# Altium PCB MCU065E1_LAUNCHCC3235MODA_PCB.PcbDoc (part 2 of 4) (continued)
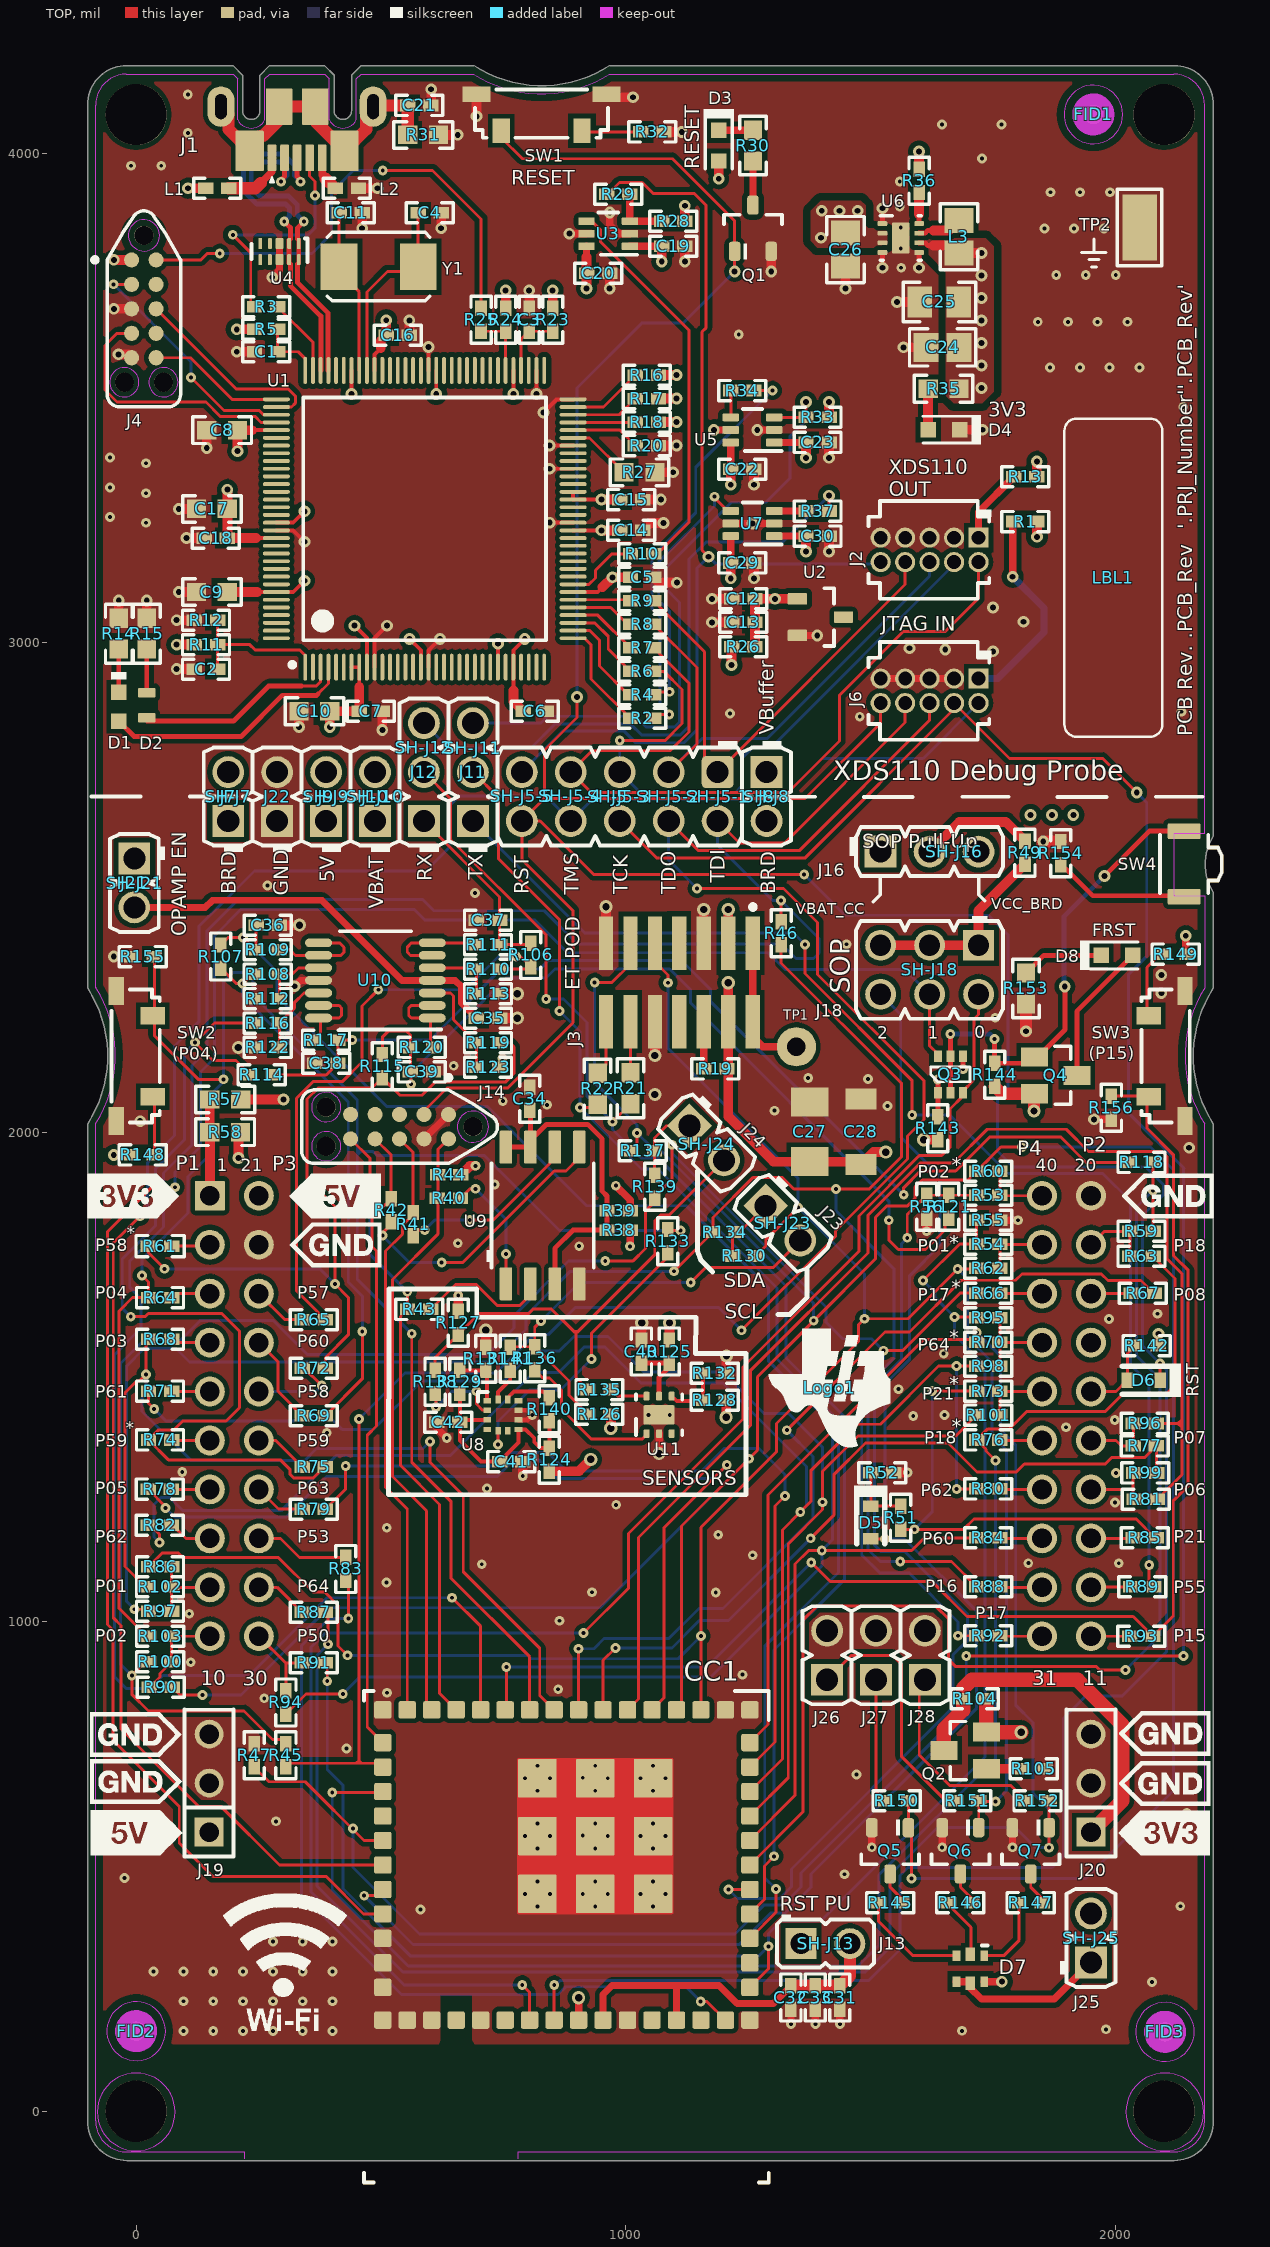
[diagram p0: TOP view]
## Part data (continued)
U9: library part CMP-0004983-1, "ULTRA LOW POWER, 64M-BIT [x 1/x 2/x 4] CMOS MXSMIO (SERIAL MULTI I/O) FLASH MEMORY, SOP-8", Manufacturer="Macronix International Co., LTD", Supplier Part Number 1=1092-1200-ND, ComponentLink1Description="Datasheet URL", ComponentLink1URL=http://www.macronix.com/Lists/Datasheet/Attachments/5102/MX25R6435F,%20Wide%20Range,%2064Mb,%20v1.3.pdf, LatestRevisionDate=09/03/2017, MountType=SMT, PackageReference=SOP-8, PartNumber=MX25R6435FM2IL0, Publisher="Texas Instruments", RoHS=Y, SizeArea_mm2=41.317, SizeAreaWB_mm2=71.577, SizeX_mm=7.9, SizeY_mm=5.23, SizeZ_mm=2.16, Supplier 1=Digi-Key
U10: library part CMP-0041122-1, "Low Cost, Low Power, Rail-to-Rail Operational Amplifier MicroAmplifier(TM) Series, 2.7 to 5.5 V, -55 to 125 degC, 14-pin SOP (PW14), Green (RoHS & no Sb/Br)", Manufacturer="Texas Instruments", Rating=Catalog, Total Supply Voltage(Max)(+5V is 5, +/-5V is 10)=5.5, Total Supply Voltage(Min)(+5V is 5, +/-5V is 10)=2.7, CMRR(Min)(dB)=76, Code_JEDEC=MO-153, ComponentLink1Description="Manufacturer URL", ComponentLink1URL=http://www.ti.com/, ComponentLink2Description=Datasheet, ComponentLink2URL=http://www.ti.com/lit/ds/symlink/opa4342.pdf, ComponentLink3Description="Package Specification", ComponentLink3URL=http://www.ti.com/litv/pdf/mpds360, DatasheetVersion=SBOS106A, Eco-Plan="Green (RoHS & no Sb/Br)", GBW(Typ)(MHz)=1, IIB(Max)(pA)=10, Iq per channel(Max)(mA)=0.25, Mounting Technology="Surface Mount", Number of Channels=4, Offset Drift(Typ)(uV/C)=3, PackageDescription="14-Pin Plastic Small Outline, Body 5 x 4.4 mm, Pitch 0.65 mm", PackageReference=PW0014A, PackageVersion="4040064-3/G, 02/2011", Packing="SMALL T&R", PartId=1, PartNumber=OPA4342EA/250, Slew Rate(Typ)(V/us)=1, Sub Family="Low Input Bias Current Amp (<=10pA), Low Power Amp (<=500uA), Low Supply Voltage Amplifier (<=2.7V), Precision Amplifier", Vio (25C)(Max)(mV)=6
U11: library part CMP-0013432-6, "High-Accuracy, Low-Power, Digital Temperature Sensor with SMBus and Two-Wire Serial Interface, DRV0006A (WSON-6)", Alternate Manufacturer="Texas Instruments", Alternate PartNumber=TMP116AIDRVT, ComponentLink1Description="Datasheet Link", ComponentLink1URL=https://sps06.itg.ti.com/sites/KMS/crossdivteams/altium/docs/ComponentDatasheets/TMP116_PrelimDatasheet.pdf, CompType=IC, LatestRevisionDate=2017-03-09, Manufacturer="Texas Instruments", MountType=SMT, PackageDescription=WSON-6, PackageReference=DRV0006A, PartNumber=TMP116AIDRVR, Publisher="Texas Instruments", SizeArea_mm2=4, SizeAreaWB_mm2=9, SizeX_mm=2, SizeY_mm=2, SizeZ_mm=0.8, U/M=EA
Y1: "Crystal, 16 MHz, 18 pF, SMD", Alternate Manufacturer=----, Frequency_Fixed=16MHz, Frequency Stability=+/-30ppm, Manufacturer="Abracon Corporation", PartNumber=ABM3-16.000MHZ-D2Y-T, Supplier Part Number 1=535-10638-1-ND, Alternate PartNumber=----, ComponentLink1Description="Datasheet Link", ComponentLink1URL=http://www.abracon.com/Resonators/abm3.pdf, CompType=Crystal, MountType=SMT, PackageReference=ABM3, REACh=Y, RoHS=E, Supplier 1=Digi-Key, Supplier 2=Newark, Supplier 3=Mouser, Supplier Part Number 2=77R1470, Supplier Part Number 3=815-ABM3-16-D2Y-T, TaMax_C=85°C, TaMin_C=-40°C
ZZ1 ZZ2 ZZ3: library part CMP-0077238-1, "This Assembly Note will show in the PcbDoc and associated outputs", ClassName=AssemblyNote, CompType=AssemblyNote, Key=AssemblyNote, LatestRevisionDate=2017-08-10, Publisher="Texas Instruments"
ZZ4 ZZ6 ZZ7: library part CMP-0077238-1, ClassName=AssemblyNote, CompType=AssemblyNote, Key=AssemblyNote, LatestRevisionDate=2017-08-10, Publisher="Texas Instruments"
ZZ5: library part CMP-0003616-3, ClassName=AssemblyNote, CompType=AssemblyNote, Key=AssemblyNoteLabel, LatestRevisionDate=2017-03-09, Publisher="Texas Instruments"

## Free pads (board coordinates)
  round 125 hole 125 unplated mask+5: 1(0,0) 1(0,4079) 1(2100,0) 1(2100,4079)

## Via types
v1: diameter 20, hole 8, TOP to BOTTOM, tented both sides, 270 vias
v2: diameter 24, hole 12, TOP to BOTTOM, tented both sides, 142 vias
v3: diameter 19.68, hole 7.87, TOP to BOTTOM, 36 vias
v4: diameter 27, hole 15, TOP to BOTTOM, tented both sides, 23 vias
v5: diameter 19.68, hole 7.87, TOP to BOTTOM, tented bottom, 4 vias

## Nets (pads, with @x,y where several pads share a name; then routed paths per layer and width w, separated by ;. In a path a pad name is that pad's centre, name@x,y a point inside that pad or via, vN(x,y) a via of type N, cw(c..) or ccw(c..) an arc to the next point about the centre after c; other vN are vias at no path point)
ANA_IN1: R65.2 R106.1 R110.1 | length 1216.4
  TOP w6: R65.2@386.62,1617 327.52,1676.1 327.52,2069.33 362.19,2104 422.05,2104 461.67,2143.62 461.67,2257.95 v1(494.77,2291.05) ; R110.1@742.48,2333.14 800.48,2333.14 R106.1@805.86,2338.52 785.12,2359.25 v1(776.37,2359.25)
  BOTTOM w6: v1(494.77,2291.05) 672.09,2291.05 740.29,2359.25 v1(776.37,2359.25)
ANA_IN2: R61.1 R72.2 R115.1 R119.1 | length 1586.7
  TOP w6: R61.1@25.08,1767.51 25.08,1753.77 v1(57.85,1721) ; R72.2@386.62,1518 386.62,1539.38 433.52,1586.28 433.52,1662.56 v1(406.08,1690) 406.08,1848.26 348.95,1905.39 348.95,2067.64 371.94,2090.63 481.97,2090.63 R115.1@502.86,2111.52 538.85,2075.53 583.93,2075.53 610.73,2102.33 754.16,2102.33 771.57,2119.74 771.57,2174.45 762.88,2183.14 R119.1@742.48,2183.14
  BOTTOM w6: v1(57.85,1721) 375.08,1721 v1(406.08,1690)
ANA_IN3: R74.1 R75.2 R114.1 R116.1 | length 1929.3
  TOP w6: v1(-11.03,1623.16) 18.24,1623.16 24.94,1629.86 174.97,1629.86 211.19,1593.64 211.19,1437.27 183.92,1410 95.24,1410 77.31,1392.07 45.98,1392.07 R74.1@25.16,1371.26 65.68,1330.75 294.5,1330.75 314.63,1310.62 314.63,1300.61 321.19,1294.05 362.05,1294.05 384.14,1316.14 R75.2@386.62,1316.14 ; R114.1@233.24,2117.14 203.92,2146.45 156.77,2146.45 v1(120.02,2183.2) 159.96,2223.14 R116.1@245.24,2223.14
  BOTTOM w6: v1(-11.03,1623.16) -28.43,1640.56 -28.43,1741.28 39.47,1809.18 39.47,1925.35 98.83,1984.7 98.83,2162.01 v1(120.02,2183.2)
ANA_IN4: R69.2 R107.1 R108.1 | length 1108.6
  TOP w6: R107.1@173.06,2335.37 204.31,2304.12 v1(217.47,2304.12) 218.99,2304.12 238.01,2323.14 R108.1@245.24,2323.14 ; R69.2@386.62,1421 462,1496.38 v1(462,1593)
  BOTTOM w6: v1(217.47,2304.12) 217.47,2277.62 433.3,2061.79 433.3,1694.24 462,1665.54 v1(462,1593)
CC_NRESET: CC1.35 D6.1 J5.10 J6.10 J14.2 Q1.1 SW1.2 | length 8503.8
  TOP w6: J14.2@588.2,2036.38 588.2,2043.58 634.95,2090.33 759.13,2090.33 892.68,2223.88 892.68,2452.47 788,2557.15 J5.10@788,2635.86 ; SW1.2@745.62,4043.62 745.62,4032.49 789.2,3988.91 1095.48,3988.91 1222.74,3861.65 Q1.1@1222.74,3799.78 v2(1222.74,3758.74) ; J5.10@788.74,2636.6 834.51,2682.38 834.51,2781.04 900.74,2847.27 v2(900.74,2889.04) ; CC1.35@853.9,186.06 853.9,257.38 v1(854.17,257.65) ; v1(1364.81,2526.57) 934.74,2526.57 825.45,2635.86 J5.10@788,2635.86 ; J6.10@1521,2876.86 1521,2836 1366.64,2681.63 833.77,2681.63 J5.10@788,2635.86 ; D6.1@2091.93,1493.18 v1(2091.93,1527.77)
  BOTTOM w6: v1(854.17,257.65) 857.49,257.65 867.17,267.33 1497.1,267.33 1560.28,330.52 1560.28,481.36 1576.89,497.96 1871.52,497.96 1894.92,521.36 1894.92,803.14 1940.39,848.6 2015.14,848.6 2104.69,938.15 2104.69,1515.01 v1(2091.93,1527.77) 2055.87,1563.83 2055.87,1829.81 2098.55,1872.49 2098.55,1893.39 2063.28,1928.66 1792.63,1928.66 1759.89,1961.4 1759.89,2068.65 1780.87,2089.63 1780.87,2404.09 1741.63,2443.33 1448.06,2443.33 v1(1364.81,2526.57) ; v2(900.74,2889.04) 900.74,3520.74 1032.93,3652.93 1116.93,3652.93 v2(1222.74,3758.74)
GND: C1.2 C2.2 C3.1 C4.1 C5.2 C6.2 C7.2 C8.2 C9.2 C10.2 C11.1 C12.2 C13.2 C14.2 C15.2 C16.2 C17.2 C18.2 C19.2 C20.2 C21.2 C22.2 C23.2 C24.2 C25.2 C26.2 C27.2 C28.2 C29.2 C30.2 C31.2 C32.2 C33.2 C34.2 C35.2 C36.2 C37.2 C38.2 C39.2 C40.2 C41.2 C42.2 CC1.1 CC1.2 CC1.16 CC1.25 CC1.26 CC1.27 CC1.28 CC1.29 CC1.30 CC1.32 CC1.38 CC1.43 CC1.55@1056.07,680.16 CC1.56@937.96,680.16 CC1.57@819.84,680.16 CC1.58@1056.07,562.05 CC1.59@937.96,562.05 CC1.60@819.84,562.05 CC1.61@1056.07,443.94 CC1.62@937.96,443.94 CC1.63@819.84,443.94 D4.1 J2.3 J2.5 J2.7 J2.9 J3.5 J3.10 J3.13 J4.3 J4.5 J6.3 J6.5 J6.7 J6.9 J14.1 J14.9 J19.2 J19.3 J20.2 J20.3 J22.1 J22.2 J26.2 J27.2 J28.2 L2.2 P1.22 P2.20 Q1.2 Q5.2 Q6.2 Q7.2 R12.1 R14.1 R15.1 R20.2 R27.1 R31.1 R32.1 R47.1 R52.1 R55.2 R56.2 R105.2 R112.1 R113.1 R122.1 R123.1 R131.2 R132.1 R153.1 R154.1 R155.1 R156.1 SW1.3 SW1.4 SW2.3 SW2.4 SW3.3 SW3.4 TP2.1 U1.10 U1.17 U1.48 U1.55 U1.58 U1.64 U1.66 U1.80 U1.114 U2.2 U3.2 U3.5 U4.3@292.91,3815.67 U4.8@292.91,3782.8 U5.2 U6.1 U6.4 U6.5 U6.9@1562.11,3826.93 U7.2 U7.5 U8.8 U8.9 U9.4 U10.11 U11.2 U11.7@1068.39,1422.6 | length 4083.5
  TOP w7.87: U1.114@286.41,3229.63 320.95,3229.63 v2(344.11,3206.46) ; U1.10@487.19,2950.1 487.19,3009.58 v2(512.55,3034.93) ; U1.17@597.43,2950.1 597.43,2984.64 v2(620.6,3007.8) ; U1.80@597.43,3556.4 v2(597.43,3604.49) ; v2(817.9,3508.3) U1.66@817.9,3556.4 ; v2(831.99,3470.36) 858.97,3497.34 U1.64@892.71,3497.34 ; v2(844.61,3355.61) U1.55@892.71,3355.61 ; v2(844.61,3402.85) U1.58@892.71,3402.85 ; v2(845.02,3245.37) U1.48@892.71,3245.37
  TOP w10: U8.8@781.37,1412.34 789.29,1412.34 799.45,1412.35 v1(809.29,1422.19) 799.44,1432.03 U8.9@781.37,1432.03 ; v2(1524.71,3766.04) U6.4@1524.71,3797.4 ; U6.1@1524.71,3856.45 v2(1524.71,3887.81) ; v2(1599.51,3766.04) U6.5@1599.51,3797.4
  TOP w15: v2(-45.83,2358.95) R155.1@-10.08,2358.95 ; v2@277.93,3746.59 v2(277.93,3746.7) 292.91,3761.68 U4.8@292.91,3782.8 U4.3@292.91,3815.67 ; v2(323.86,2298.14) 335.86,2310.14 U10.11@372.72,2310.14 ; J14.9@588.2,1986.38 J14.1@638.2,2036.38 ; C42.2@614.28,1407.38 614.28,1395.6 v1(634.51,1375.37) ; R123.1@742.48,2133.14 748.57,2139.23 v1(748.57,2151.33) ; v2(884.96,3835.78) U3.5@920.18,3835.78 ; v2(967.61,3878.83) 967.61,3853.03 984.86,3835.78 U3.2@1008.76,3835.78 ; v4(1068.39,1343.45) U11.2@1068.39,1384.22 ; U7.5@1214.86,3243.6 v2(1259.15,3243.6) U7.2@1303.45,3243.6 ; v2(1268.87,3434.78) U5.2@1303.45,3434.78 ; v1(1337.75,177.9) C32.2@1337.75,208.65 ; U2.2@1350.79,3014.92 v2(1391.37,3014.92) ; v1(1387.75,177.9) C33.2@1387.75,208.65 ; v1(1437.75,177.9) C31.2@1437.75,208.65 ; v1(1503.03,539.09) Q5.2@1503.03,579.22 ; J6.9@1521,2926.86 J6.7@1571,2926.86 J6.5@1621,2926.86 J6.3@1671,2926.86 ; v1(1646.65,539.09) Q6.2@1646.65,579.22 ; R55.2@1764.41,1820.27 v1(1801.5,1820.27) ; v1(1790.27,539.09) Q7.2@1790.27,579.22 ; v2(1956.79,2026.36) R156.1@1992.54,2026.36
  TOP w19.9: C36.2@292.48,2423.14 v4(333.86,2423.14)
  TOP w20: v2(-45.57,3682.26) J4.3@-9.21,3682.26 ; v2(-35.95,3589.24) -16.19,3589.24 J4.5@-9.21,3582.26 ; R14.1@-35.48,3050.03 v2(-35.48,3086.39) ; R15.1@21.67,3050.03 v2(21.67,3086.39) ; v2(82.75,2946.17) C2.2@119.12,2946.17 ; v2(82.75,3046.17) R12.1@119.12,3046.17 ; v2(87.01,3103.64) C9.2@123.37,3103.64 ; v2(87.01,3273.49) C17.2@123.37,3273.49 ; v2(102.76,3213.88) C18.2@139.12,3213.88 ; v2(144.24,3397.99) C8.2@144.24,3434.35 ; v2(205.41,3594.58) C1.2@241.77,3594.58 ; v4(208.86,2173.14) R122.1@245.24,2173.14 ; v2(332.71,2827.75) C10.2@332.71,2860.1 ; L2.2@454.25,3928.5 v2(493.25,3928.5) ; v2(461.77,3846.95) C11.1@461.77,3878.32 ; v2(502.94,2821.75) C7.2@502.94,2860.1 ; C16.2@558.18,3628.25 v2(558.18,3658.76) ; C21.2@602.18,4097.66 602.74,4098.22 v2(602.74,4130.84) ; R31.1@617.93,4037.66 v2(656.92,4037.66) ; v2(623.18,3846.95) C4.1@623.18,3878.32 ; v2(695.43,4075.49) SW1.4@695.43,4114.48 ; R131.2@714.29,1560.81 v4(714.29,1595.56) ; C35.2@742.48,2233.14 v4(778.86,2233.14) ; R113.1@742.48,2283.14 v4(778.86,2283.14) ; v1(789.91,1297.81) C41.2@789.91,1327.19 ; C3.1@802.91,3683.64 v2(802.91,3720) ; J3.13@959.79,2386.07 v4(959.79,2460.5) ; SW1.3@961.17,4114.48 v2(1015.16,4114.48) ; v2(967.42,3723.83) C20.2@967.42,3755.19 ; C40.2@1032.39,1575.62 v4@1032.39,1610.24 ; C14.2@1034.95,3229.63 1049.96,3244.64 v2(1077.34,3244.64) ; C15.2@1034.95,3292.62 v2(1071.95,3292.62) ; C5.2@1057.19,3133.64 1068.01,3122.83 v2(1104.58,3122.83) ; v4(1059.79,2156.71) J3.10@1059.79,2225.83 ; R27.1@1059.81,3348.25 v2(1096.81,3348.25) ; R20.2@1067.19,3402.89 v2(1104.2,3402.89) ; R32.1@1078.22,4043.62 v2(1114.58,4043.62) ; v2(1121,3778.83) C19.2@1121,3810.19 ; J3.5@1159.79,2386.07 v4(1159.79,2455.19) ; v2(1176.22,3041.71) C13.2@1217.07,3041.71 ; v2(1176.22,3089.71) C12.2@1217.07,3089.71 ; R132.1@1205.64,1507.79 1205.64,1542.41 v4(1206.01,1542.79) ; v2(1262.11,3131.65) C29.2@1262.11,3163.01 ; v2(1262.11,3322.83) C22.2@1262.11,3354.19 ; v2(1297.54,3758.41) Q1.2@1297.54,3799.78 ; v2(1415.69,3186.65) C30.2@1415.69,3218.01 ; v2(1415.69,3377.83) C23.2@1415.69,3409.19 ; v2(1449.43,3723.48) C26.2@1449.43,3769.84 ; R52.1@1548.19,1304.23 1548.59,1304.63 v1(1576.17,1304.63) ; v2(1554.63,3696.23) C25.2@1600.99,3696.23 ; v2(1567.7,3603.53) C24.2@1614.06,3603.53 ; v1(1615,1797.71) R56.2@1615,1824.02 ; D4.1@1682.96,3435.27 v2(1729.32,3435.27)
  TOP w25: v2(1817.87,2206.35) 1817.87,2261.12 R153.1@1820.08,2263.33 ; v2(1853.17,2593.97) R154.1@1888.8,2593.97
  GND w15: J6.9@1521,2926.86 J6.7@1571,2926.86 J6.5@1621,2926.86 J6.3@1671,2926.86
  other v1: 96.6,163.77 157.5,163.77 218.41,163.77 279.31,163.77 340.22,163.77 401.12,163.77 1687.25,164.24 1981.46,167.2 96.6,224.68 157.5,224.68 218.41,224.68 279.31,224.68 340.22,224.68 401.12,224.68 2075.24,264.11 35.69,285.58 96.6,285.58 157.5,285.58 218.41,285.58 279.31,285.58 340.22,285.58 401.12,285.58 279.31,346.49 340.22,346.49 401.12,346.49 580.71,412.09 2133.21,418.72 -23.93,476.57 1446.98,484 285.82,592.2 2146.2,609.39 1471.57,687.7 429.59,740.78 261.71,843.53 512.23,854.92 862.26,862.01 1238.74,891.81 111.51,917.21 864.63,1001.97 108.47,1016.33 931.59,1060.26 1184.06,1059.52 511.38,1080.11 705.98,1117.46 1822.72,1119.65 2007.5,1119.51 1259.55,1135.85 1189.23,1177.7 511.95,1192 980.64,1238.83 1999.63,1243.39 716.85,1272.18 2001.58,1304.08 94.22,1305.81 389.53,1385.99 1899.65,1397.22 1999.29,1411.93 1587.54,1420.19 1651.5,1422.61 1557.22,1475.05 1649.76,1547.66 1987.33,1618.44 2086.41,1629.12 905.1,1767.18 657.18,1773.21 732.62,1893.08 392.24,1902.32 1304.3,2044.06 1535.1,2053.56 839.2,2056.08 749.13,2063.45 1495.4,2108.76 1373,2110.96 648.76,2135.65 1755.01,2233.97 1451.27,2384.14 692.33,2489 268.62,2503.92 1478.24,2848.96 1213.26,2855.23 2135.59,2859.05 20.32,3245.22 -53.58,3257.12 20.32,3305.42 -53.58,3317.32 20.32,3366.82 -53.58,3378.72 2139.06,3481.6 1866.97,3562.53 1928.37,3562.53 1988.57,3562.53 2049.97,3562.53 1231.17,3629.66 1842.17,3655.71 1903.57,3655.71 1963.77,3655.71 2025.17,3655.71 1879.77,3751.11 1939.97,3751.11 2001.37,3751.11 1562.89,3766.22 1855.97,3846.51 1916.17,3846.51 1977.57,3846.51 1560.03,3890.62 1867.87,3920.41 1928.07,3920.41 1989.47,3920.41 1560.03,3942.62 -10.43,3974.56 51.23,3974.56 1727.87,3989.51 105.51,4041.51 1646.17,4058.71 1767.77,4058.71 105.51,4119.84
  other v2: 2151.27,1968.33 8.24,2022.65 2094.53,2284.13 2094.53,2321.36 1750.64,2982.52 1653,2986.21 1579.77,2988.67 1812.9,3042.96 1750.7,3071.99
  other v3: 819.84,418.34 937.96,418.34 1056.07,418.34 794.25,443.93 845.44,443.93 912.36,443.93 963.55,443.93 1030.47,443.93 1081.66,443.93 819.84,469.53 937.96,469.53 1056.07,469.53 819.84,536.45 937.96,536.45 1056.07,536.45 794.25,562.05 845.44,562.05 963.55,562.05 1030.47,562.05 1081.66,562.05 912.36,563.03 819.84,587.64 937.96,587.64 1056.07,587.64 819.84,654.56 937.96,654.56 1056.07,654.56 794.25,680.16 845.44,680.16 963.55,680.16 1030.47,680.16 1081.66,680.16 912.36,681.14 819.84,705.75 937.96,705.75 1056.07,705.75
  other v4: 1032.77,1610.62 1059.79,2077.04
  other v5: 1046.74,1422.6 1090.04,1422.6 1562.11,3805.27 1562.11,3848.58
IRSTN: J4.10 R25.1 | length 1011.6
  TOP w6: J4.10@40.79,3782.26 132.04,3782.26 145.26,3795.49 v1(170.8,3795.49) ; v1(503.88,3964.57) 605.5,3964.57 704.56,3865.51 R25.1@704.56,3683.64
  BOTTOM w6: v1(170.8,3795.49) 358.99,3795.49 399.49,3835.98 399.49,3920.39 443.67,3964.57 v1(503.88,3964.57)
ITCK: J4.4 U1.100 | length 533.4
  TOP w6: J4.4@-9.21,3632.26 -38.85,3632.26 -63.63,3607.48 -63.63,3516.16 -39.1,3491.64 142.5,3491.64 171.52,3462.62 242.79,3462.62 255.32,3450.1 U1.100@286.41,3450.1
ITDI: J4.8 U1.98 | length 415
  TOP w6: J4.8@40.79,3682.26 204.37,3518.68 310.89,3518.68 325.15,3504.41 325.15,3489.47 317.28,3481.59 U1.98@286.41,3481.59
ITDO: J4.6 U1.97 | length 280.8
  TOP w6: J4.6@40.79,3582.26 110.8,3582.26 195.72,3497.34 U1.97@286.41,3497.34
ITMS: J4.2 U1.99 | length 499
  TOP w6: v1(-46.55,3732.26) J4.2@-9.21,3732.26 ; v1(112.19,3542.1) 179.67,3474.62 251.46,3474.62 260.24,3465.85 U1.99@286.41,3465.85
  BOTTOM w6: v1(-46.55,3732.26) 112.19,3573.52 v1(112.19,3542.1)
LED0: D2.1 U1.3 | length 418.1
  TOP w6: 337.95,2911.3 367.36,2911.3 376.96,2920.89 U1.3@376.96,2950.1
  TOP w10: D2.1@21.67,2839.83 198.92,2839.83 270.38,2911.3 337.95,2911.3
LED1: D1.1 U1.4 | length 519.2
  TOP w6: 371.78,2895.92 392.71,2916.84 U1.4@392.71,2950.1
  TOP w10: D1.1@-35.48,2839.83 -4.23,2808.58 214.47,2808.58 298.5,2892.6 368.47,2892.6 371.78,2895.92
LP_GPIO_01: J11.1 R89.2 | length 2548.5
  TOP w6: v1(1366.2,2383.78) 1366.2,2324.48 1585.44,2105.24 v1(1585.44,2035.13) ; v1(2069.6,1115.98) 2069.6,1081.08 R89.2@2079.41,1071.27
  BOTTOM w6: J11.1@688,2635.26 916.49,2406.78 1343.2,2406.78 v1(1366.2,2383.78) ; v1(1585.44,2035.13) 1662.32,2035.13 1781.47,1915.98 1974.71,1915.98 2031.18,1859.5 2031.18,1525.13 2069.6,1486.71 v1(2069.6,1115.98)
LP_GPIO_02: C37.1 J12.1 R106.2 R111.2 | length 381.2
  TOP w6: J12.1@588,2635.86 588,2635.18 742.48,2480.7 C37.1@742.48,2433.14 R111.2@742.48,2383.14 803.24,2383.14 R106.2@805.86,2385.76
LP_RESET_OUT: D6.2 P2.16 R142.1 | length 161.6
  TOP w6: P2.16@1950.7,1470.26 2002.08,1470.26 D6.2@2025,1493.18 2025,1548.04 R142.1@2041.21,1564.25
NetC1_1: C1.1 R5.1 U1.96 | length 132
  TOP w6: R5.1@289.02,3640.38 C1.1@289.02,3594.58 331.12,3594.58 345.46,3580.24 U1.96@345.46,3556.4
NetC2_1: C2.1 R11.1 R12.2 U1.1 | length 312
  TOP w6: C2.1@166.36,2946.17 R11.1@166.36,2996.17 ; R12.2@166.36,3046.17 R11.1@166.36,2996.17 ; U1.1@345.46,2950.1 345.46,2973.73 333.67,2985.53 242.79,2985.53 232.15,2996.17 R11.1@166.36,2996.17
NetC3_2: C3.2 R23.2 U1.68 | length 134.8
  TOP w6: U1.68@786.41,3556.4 786.41,3619.89 C3.2@802.91,3636.4 R23.2@850.91,3636.4
NetC4_2: C4.2 U1.88 Y1.2 | length 401.9
  TOP w6: U1.88@471.45,3556.4 471.45,3716.69 513.27,3758.52 575.94,3758.52 Y1.2@575.94,3768.32 C4.2@575.94,3878.32
NetC11_2: C11.2 U1.89 Y1.1 | length 339
  TOP w6: C11.2@414.52,3878.32 Y1.1@414.52,3768.32 414.52,3758.16 455.7,3716.98 U1.89@455.7,3556.4
NetC16_1: C16.1 C17.1 C18.1 U1.87 U1.115 | length 793.1
  TOP w7.87: 244.93,3213.88 U1.115@286.41,3213.88 ; U1.87@487.19,3556.4 487.19,3589.3 499.59,3601.7
  TOP w20: v2(186.36,3312.85) C17.1@186.36,3273.49 C18.1@186.36,3213.88 244.93,3213.88 ; 499.59,3601.7 499.59,3616.91 C16.1@510.93,3628.25 v2(510.93,3658.95)
  PWR w20: v2(186.36,3312.85) 358.17,3484.66 358.17,3506.19 ; 358.17,3507.37 358.17,3506.19 ; v2(510.93,3658.95) 358.17,3506.19
NetC21_1: C21.1 J1.6 J1.7 J1.8 J1.9 J1.10 J1.11 R31.2 | length 668.2
  TOP w25: J1.10@173.28,4095.38 188.46,4080.2 188.46,4048.98 232.6,4004.83 232.6,4014.9 253.22,4035.52 258.97,4035.52 292.64,4069.19 292.64,4095.38 366.46,4095.38 366.46,4065.21 425.74,4005.94 J1.6@425.74,4005.59 ; J1.6@425.74,4004.83 470.1,4049.19 470.1,4081.18 J1.7@484.3,4095.38 ; J1.7@484.68,4095 487.34,4097.66 C21.1@554.93,4097.66 R31.2@554.93,4037.66
NetC34_1: C34.1 R38.1 R39.1 U9.3 U9.7 U9.8 | length 687.1
  TOP w10: U9.8@755.4,1969.64 U9.7@805.4,1969.64 U9.7@805.4,1983.16 ; C34.1@804.3,2044.95 805.4,2043.85 U9.7@805.4,1983.16 ; U9.7@805.14,1979.62 805.14,1982.9 U9.7@805.4,1983.16 ; U9.3@855.4,1690.11 855.4,1762.88 892.7,1800.18 R38.1@961.88,1800.18 R39.1@961.88,1839.98 961.88,1869.8 951.98,1879.7 951.98,1986.58 922.46,2016.1 838.34,2016.1 U9.7@805.4,1983.16
NetC38_1: C38.1 R114.2 R117.2 R118.1 | length 2172.9
  TOP w6: R114.2@280.48,2117.14 388.18,2117.14 C38.1@412.29,2141.25 412.29,2187.03 R117.2@411.48,2187.84 416.67,2193.03 421.49,2188.21 v1(441.58,2188.21) ; R114.2@280.77,2114.03 R114.2@282.18,2115.44 ; v1(1568.14,1872.29) 1568.14,1886.62 1602.12,1920.6 1674.36,1920.6 1744.38,1990.62 1888.23,1990.62 1940.58,1938.27 R118.1@2030.34,1938.27
  BOTTOM w6: v1(441.58,2188.21) 600.11,2188.21 745.05,2333.14 824.39,2333.14 842.07,2350.82 1114.36,2350.82 1173.02,2292.16 1173.02,2267.42 v1(1568.14,1872.29)
NetC39_1: C39.1 R115.2 R120.2 R121.1 | length 1746.8
  TOP w6: R115.2@502.86,2158.76 502.86,2194.14 515.07,2206.35 552.64,2206.35 560.24,2198.76 R120.2@560.24,2173.14 C39.1@560.24,2123.14 562.37,2121.01 561.76,2120.4 v1(561.76,2098.14) ; v1(1537.78,1820.27) 1537.78,1779.9 1557.06,1760.62 1612.88,1760.62 1652.68,1800.42 1652.68,1816.7 R121.1@1660,1824.02
  BOTTOM w6: v1(561.76,2098.14) 561.76,2120.87 756.14,2315.25 837.21,2315.25 855.45,2333.5 1089.97,2333.5 1132.36,2291.11 1132.36,2264.47 1537.78,1859.05 v1(1537.78,1820.27)
NetC40_1: C40.1 R125.1 U11.5 | length 133.1
  TOP w10: C40.1@1032.39,1528.38 R125.1@1089.39,1528.38 1089.39,1520.14 1068.39,1499.14 U11.5@1068.39,1460.99
NetC41_1: C41.1 C42.1 R124.2 R129.2 R140.2 U8.3 U8.7 | length 473.5
  TOP w8: R129.2@661.52,1466.32 C42.1@661.52,1407.38 ; U8.3@717.2,1412.34 672.34,1412.34 667.38,1407.38 C42.1@661.52,1407.38 ; R140.2@844.29,1410.56 R124.2@844.29,1354.81 825.67,1354.81 813.29,1367.19 813.29,1375.17 795.8,1392.66 U8.7@781.37,1392.66 781.37,1365.89 C41.1@742.67,1327.19 704.29,1327.19 661.52,1369.95 C42.1@661.52,1407.38
NetCC1_36: CC1.36 J13.1 | length 545.8
  TOP w15: CC1.36@903.9,186.06 v4(903.9,231.69)
  PWR w15: v4(903.9,231.69) 954.3,282.09 1297.9,282.09 J13.1@1358.24,342.43
NetD1_2: D1.2 R14.2 | length 88.1
  TOP w10: D1.2@-35.48,2898.89 R14.2@-35.48,2987.03
NetD2_2: D2.2 R15.2 | length 82.2
  TOP w10: D2.2@21.67,2904.79 R15.2@21.67,2987.03
NetD3_1: D3.1 R30.2 | length 70
  TOP w15: D3.1@1190.14,4047.26 R30.2@1260.14,4047.26
NetD4_2: D4.2 R35.2 | length 83.8
  TOP w20: D4.2@1618,3435.27 R35.2@1618,3519.06
NetD5_1: D5.1 R51.1 R52.2 | length 128.9
  TOP w6: R52.2@1500.95,1304.23 D5.1@1500.95,1236.04 R51.1@1561.65,1236.04
NetD7_1: D7.1 R147.2 | length 161.1
  TOP w6: D7.1@1732.9,317.77 1772.45,317.77 1804.05,349.37 R147.2@1804.05,426.22
NetD7_2: D7.2 R146.2 | length 129.2
  TOP w6: R146.2@1652.56,426.22 1654.87,426.22 1705.42,375.67 1705.42,321.78 D7.2@1704.35,320.72
NetD7_3: D7.3 R145.2 | length 226.3
  TOP w6: R145.2@1516.81,426.22 1516.81,388.07 1587.11,317.77 D7.3@1675.81,317.77
NetD7_5: D7.5 D7.6 J25.1 | length 326.4
  TOP w15: D7.6@1675.81,264.62 1701.4,264.62 D7.5@1704.35,261.66 1704.35,251.83 1727.11,229.07 1875.77,229.07 J25.1@1950.7,304
NetD8_1: D8.1 R153.2 | length 168.4
  TOP w10: R153.2@1817.89,2325.16 1854.14,2361.41 D8.1@1971.32,2361.41
NetD8_2: D8.2 Q4.3 | length 292.7
  TOP w10: Q4.3@1921.92,2116.1 1921.92,2247.04 D8.2@2036.28,2361.41
NetJ1_1: J1.1 L1.1 | length 130.7
  TOP w15: 254.65,3939.36 277.61,3962.32 J1.1@277.61,3990.66
  TOP w25: L1.1@189.3,3928.5 243.77,3928.5 254.64,3939.36
NetJ1_5: J1.5 L2.1 | length 73.5
  TOP w15: J1.5@379.97,3990.66 379.97,3955.25 387.11,3948.11
  TOP w25: 387.11,3948.11 406.72,3928.5 L2.1@407.01,3928.5
NetJ2_1: J2.1 R13.2 | length 153.8
  TOP w15: J2.1@1721,3214.86 1721,3267.03 R13.2@1792.84,3338.87
NetJ3_1: J3.1 J3.2 TP1.1 | length 288.5
  TOP w15: J3.1@1259.79,2386.07 J3.2@1259.79,2225.83 1259.79,2195.06 1280.21,2174.63 TP1.1@1348.79,2174.63
NetJ3_6: J3.6 R19.1 | length 96.5
  TOP w15: R19.1@1159.79,2129.33 J3.6@1159.79,2225.83
NetJ3_12: J3.12 R21.2 | length 104.4
  TOP w6: R21.2@1009.79,2121.44 J3.12@1009.79,2225.83
NetJ3_14: J3.14 R22.2 | length 112.4
  TOP w6: R22.2@942.79,2120.44 959.79,2137.44 J3.14@959.79,2225.83
NetJ6_1: J6.1 R1.2 | length 426.7
  TOP w15: v2(1790.71,3134.82) 1790.71,3245.03 1790.56,3245.19 R1.2@1793.09,3247.73
  BOTTOM w15: J6.1@1721,2926.86 1760.04,2926.86 1854.65,3021.48 1854.65,3070.89 v2(1790.71,3134.82)
NetJ11_3: J11.3 R33.1 U5.3 | length 1364.1
  TOP w6: U5.3@1303.45,3460.37 R33.1@1368.45,3460.37 v2(1368.45,3491.73)
  BOTTOM w6: J11.3@688,2835.86 826.95,2835.86 840.94,2849.85 1019.85,2849.85 1041.97,2827.73 1099.97,2827.73 1110.23,2837.99 1110.23,3082.52 1080.58,3112.18 1080.58,3151.06 1216.53,3287.01 1286.56,3287.01 1335.41,3335.86 1335.41,3421.25 1368.45,3454.29 v2(1368.45,3491.73)
NetJ12_3: J12.3 R37.1 | length 1312.1
  TOP w6: R37.1@1415.69,3269.19 v2(1415.69,3300.55)
  BOTTOM w6: J12.3@588,2835.86 638.62,2785.24 806.62,2785.24 855.08,2833.71 1010.67,2833.71 1032.91,2811.47 1111.59,2811.47 1129.51,2829.39 1129.51,3171.13 1163.92,3205.54 1320.68,3205.54 v2(1415.69,3300.55)
NetJ16_2: J16.2 R49.2 | length 236.3
  TOP w20: J16.2@1621,2573.25 1681.72,2633.98 1776.77,2633.98 R49.2@1815.91,2594.84
NetJ18_1: J18.1 J18.3 J18.5 R49.1 | length 405
  TOP w20: J18.5@1521,2381.86 J18.3@1621,2381.86 J18.1@1721,2381.86 1721,2452.69 R49.1@1815.91,2547.6
NetJ20_1: J20.1 Q2.3 R104.1 | length 759.8
  TOP w30: Q2.3@1650.02,736.93 1650.02,780.22 1689.58,819.78 R104.1@1689.58,842.33 1689.58,864.08 1706.94,881.44 1923.02,881.44 2014.65,789.81 2014.65,634.22 J20.1@1950.7,570.26
NetJ23_1: J23.1 R130.2 R134.2 | length 134.2
  TOP w6: R130.2@1218.48,1747.18 1218.48,1788.63 R134.2@1226.02,1796.18 1232.69,1796.18 J23.1@1286.04,1849.53
NetJ24_1: J24.1 R137.2 R139.2 | length 158.2
  TOP w6: R139.2@1059.3,1912 1058.92,1912.38 R137.2@1058.92,1962.08 1058.92,1988.4 1083.76,2013.23 J24.1@1130.24,2013.23
NetJ26_1: J26.1 R151.1 | length 516.9
  TOP w6: J26.1@1411.5,881.5 1461.29,931.29 1545.75,931.29 1563.27,913.77 1563.27,725.03 1654.08,634.22 R151.1@1674.21,634.22
NetJ27_1: J27.1 R150.1 | length 255.2
  TOP w6: J27.1@1511.5,881.5 1511.5,653.31 R150.1@1530.59,634.22
NetJ28_1: J28.1 R152.1 | length 415.5
  TOP w6: J28.1@1611.5,881.5 1599.84,869.84 1599.84,727.52 1662.18,665.18 1786.87,665.18 R152.1@1817.83,634.22
NetL3_1: L3.1 U6.7 | length 92.4
  TOP w10: U6.7@1599.51,3836.77 1611.82,3836.77 1617.47,3842.42 1629.24,3842.42
  TOP w20: 1629.24,3842.42 1660.32,3842.42 L3.1@1680.99,3863.09
NetP1_1: P1.1 R57.2 R58.2 | length 196.1
  TOP w20: R58.2@150.37,2000.15 R57.2@150.37,2066.7 ; P1.1@150.7,1870.26 R58.2@150.7,1999.82
NetP1_2: P1.2 R61.2 | length 75.6
  TOP w6: R61.2@72.32,1767.51 P1.2@147.95,1767.51
NetP1_3: P1.3 R64.2 | length 81.6
  TOP w6: R64.2@72.41,1662.26 80.41,1670.26 P1.3@150.7,1670.26
NetP1_4: P1.4 R68.2 | length 81.2
  TOP w6: R68.2@72.41,1577.26 79.41,1570.26 P1.4@150.7,1570.26
NetP1_5: P1.5 R71.2 | length 78.7
  TOP w6: R71.2@72.41,1471.26 73.41,1470.26 P1.5@150.7,1470.26
NetP1_6: P1.6 R74.2 | length 78.7
  TOP w6: R74.2@72.41,1371.26 73.41,1370.26 P1.6@150.7,1370.26
NetP1_7: P1.7 R78.2 | length 78.7
  TOP w6: R78.2@72.41,1271.26 73.41,1270.26 P1.7@150.7,1270.26
NetP1_8: P1.8 R82.2 | length 90.2
  TOP w6: R82.2@71.62,1197 75,1197 101.74,1170.26 P1.8@150.7,1170.26
NetP1_9: P1.9 R86.2 R97.2 R102.2 | length 169.7
  TOP w6: R97.2@72.41,1021.26 R102.2@72.41,1071.26 ; R86.2@72.41,1112.26 R102.2@72.41,1071.26 ; P1.9@150.7,1070.26 73.41,1070.26 R102.2@72.41,1071.26
NetP1_10: P1.10 R90.2 R100.2 R103.2 | length 202.3
  TOP w6: R90.2@26.38,866 28,866 49,887 49,894.38 R100.2@72.62,918 R103.2@72.62,970 72.88,970.26 P1.10@150.7,970.26
NetP1_23: P1.23 R65.1 | length 110.7
  TOP w6: P1.23@250.7,1670.26 303.96,1617 R65.1@339.38,1617
NetP1_24: P1.24 R69.1 | length 186
  TOP w6: P1.24@250.7,1570.26 290.21,1530.75 290.21,1470.17 R69.1@339.38,1421
NetP1_25: P1.25 R72.1 | length 184.8
  TOP w6: R72.1@342.79,1518.01 343.64,1518.01 v1(379.24,1482.41)
  BOTTOM w6: P1.25@250.7,1470.26 367.09,1470.26 v1(379.24,1482.41)
NetP1_26: P1.26 R75.1 | length 111.1
  TOP w6: P1.26@250.7,1370.26 285.26,1370.26 R75.1@339.38,1316.14
NetP1_27: P1.27 R79.1 | length 105.4
  TOP w6: P1.27@250.7,1270.26 290.96,1230 R79.1@339.38,1230
NetP1_28: P1.28 R83.1 | length 193.4
  TOP w6: P1.28@250.7,1170.26 295.06,1170.26 333.94,1131.38 R83.1@428,1131.38